# Altium PCB RGV_Control_1V21.PcbDoc (part 5 of 6)
Units mm, origin at the board's own origin, x right, y up, seen from the top; angles counter-clockwise.
Board outline 221.11 x 150.42 mm, 4 copper layers (Top Layer, GND, Power, Bottom Layer), stack 1.56 mm thick; 529 components, 871 nets, 2379 pads, 835 vias.
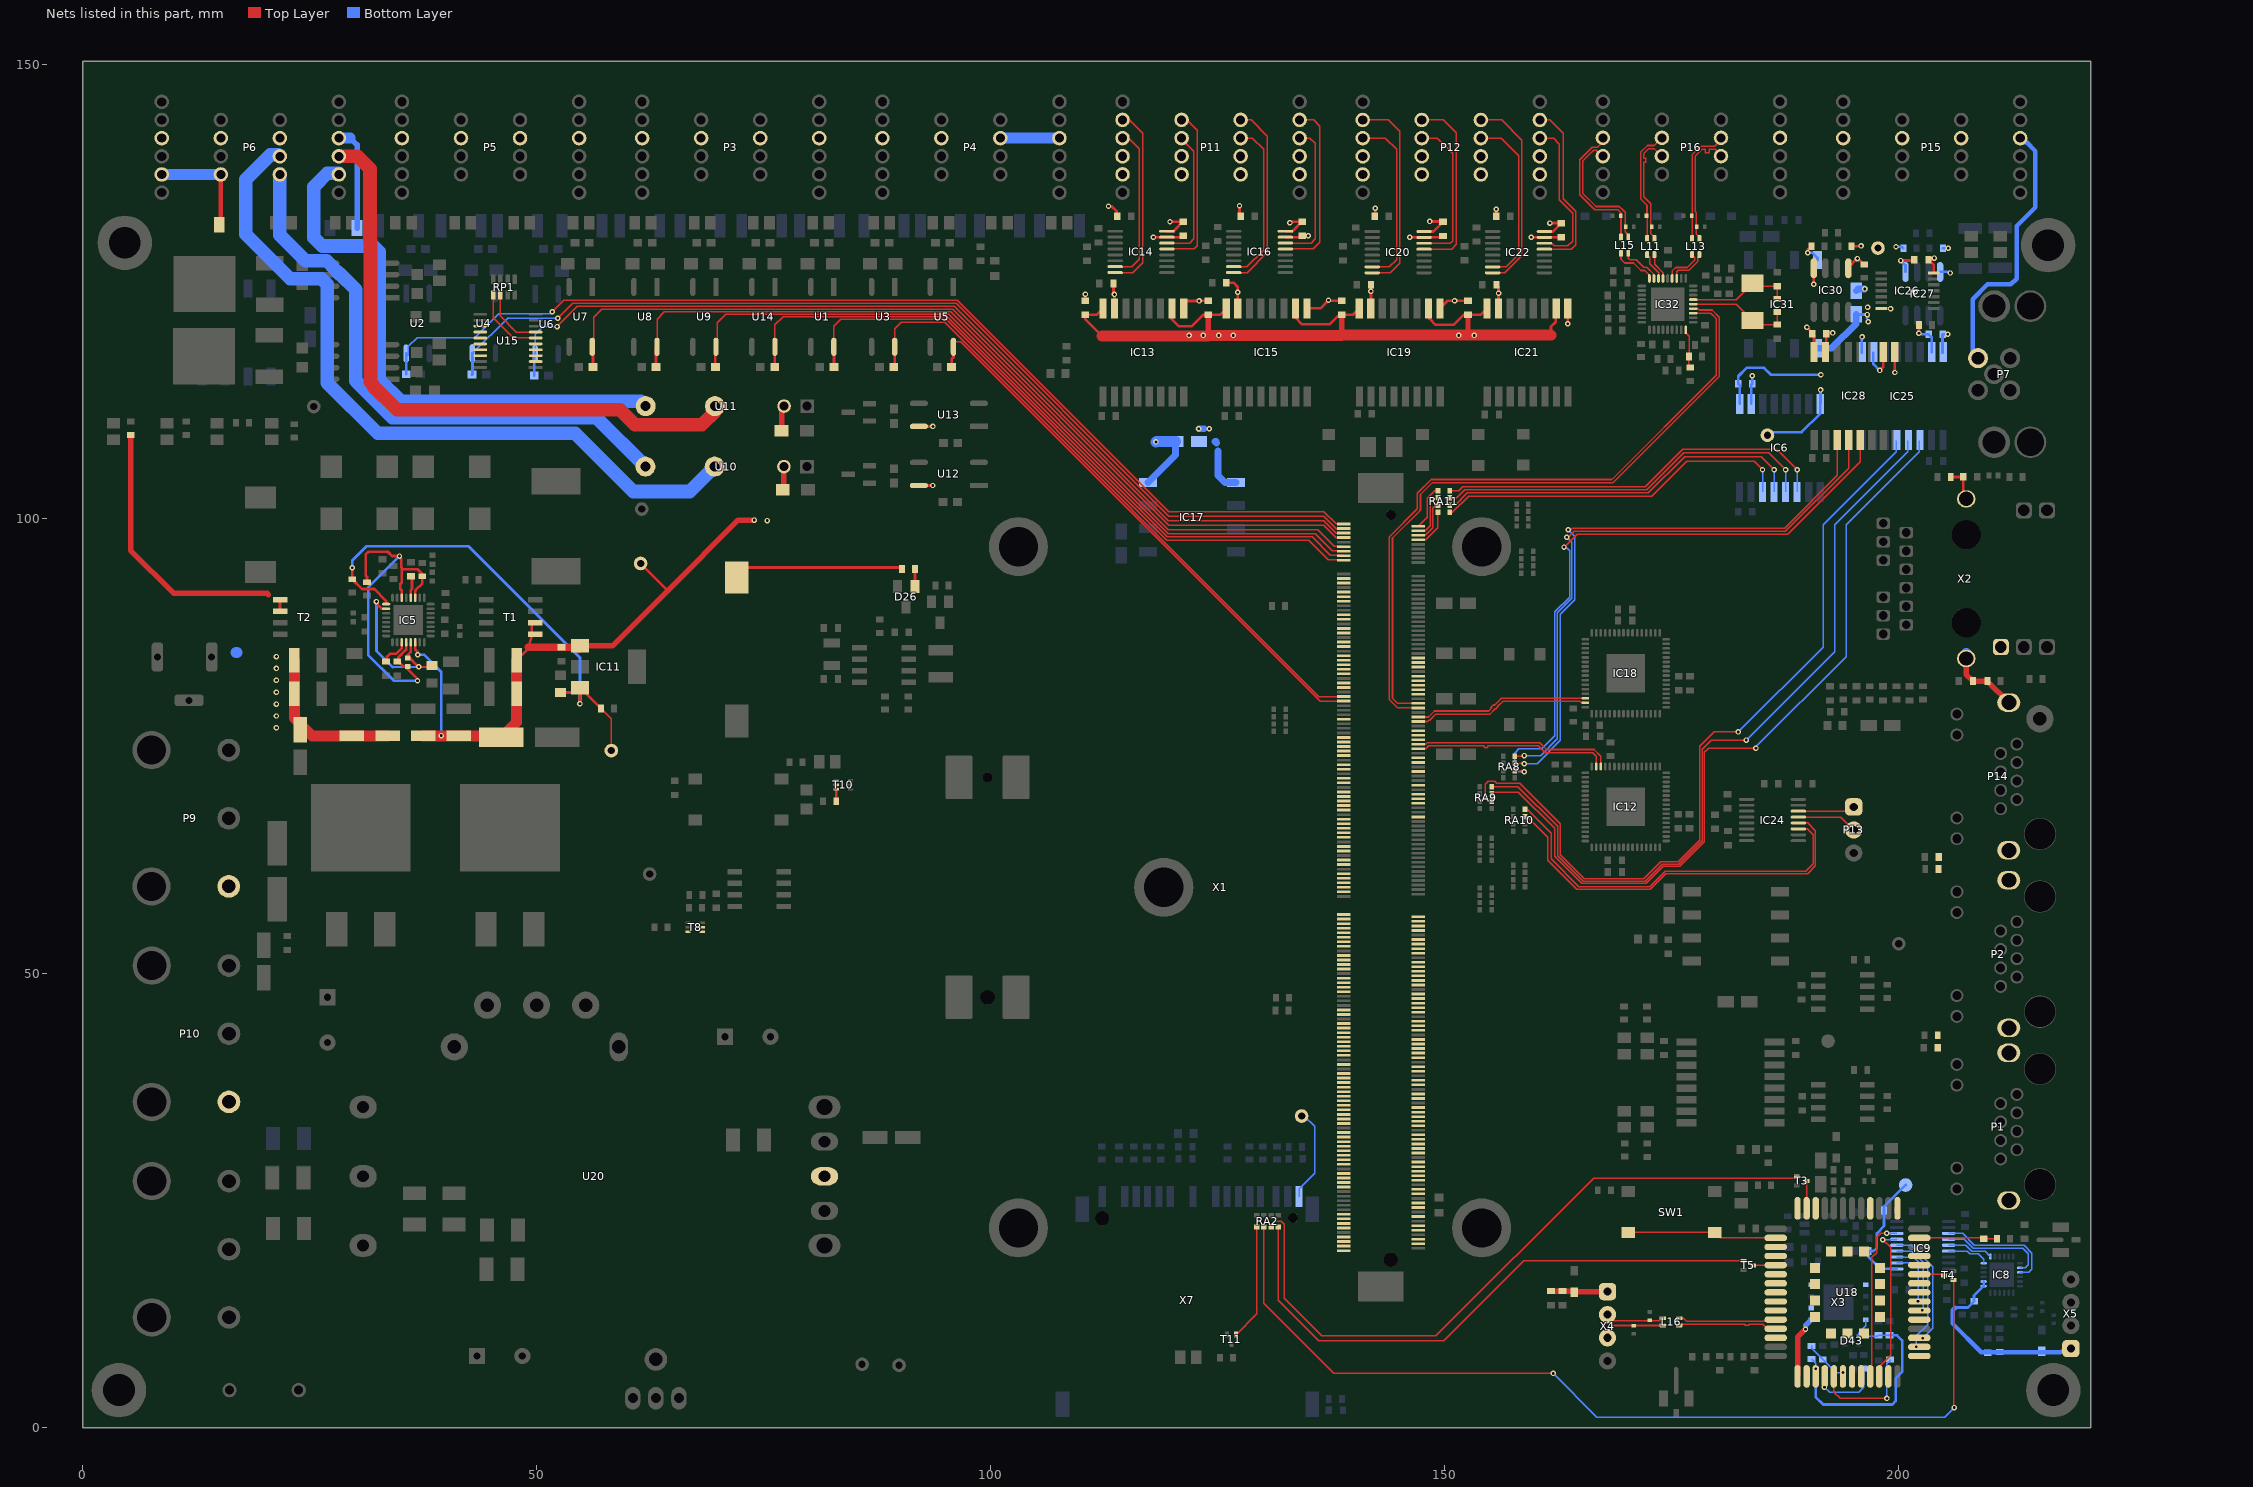
[diagram p7: the nets of this part, all layers, seen from the top]

## Via types
v1: diameter 0.6, hole 0.3, Top Layer to Bottom Layer, 778 vias
v2: diameter 0.5, hole 0.2, Top Layer to Bottom Layer, 32 vias
v3: diameter 0.6, hole 0.3, Top Layer to Bottom Layer, tented bottom, 25 vias

## Nets (pads, with @x,y where several pads share a name; then routed paths per layer and width w, separated by ;. In a path a pad name is that pad's centre, name@x,y a point inside that pad or via, vN(x,y) a via of type N, cw(c..) or ccw(c..) an arc to the next point about the centre after c; other vN are vias at no path point) (continued)
NetRA11_1: RA11.1 X1.2 | length 5
  Top Layer w0.15: X1.2@147.062,99.196 148.05,100.184 148.05,102.265 148.91,103.125 RA11.1@149.252,103.125
NetRA11_2: RA11.2 X1.4 | length 5.2
  Top Layer w0.15: X1.4@147.062,98.696 147.851,98.696 148.4,99.245 148.4,101.84 148.885,102.325 RA11.2@149.252,102.325
NetRA11_3: RA11.3 X1.6 | length 4.8
  Top Layer w0.15: X1.6@147.062,98.196 147.851,98.196 148.675,99.02 148.675,101.177 149.023,101.525 RA11.3@149.252,101.525
NetRA11_4: RA11.4 X1.8 | length 4.2
  Top Layer w0.15: X1.8@147.062,97.696 147.912,97.696 149.25,99.034 RA11.4@149.25,100.45
NetRP1_7: RP1.7 U15.7 | length 6.9
  Top Layer w0.15: RP1.7@46.025,124.658 46.025,122.35 47.802,120.574 U15.7@49.913,120.574
NetRP1_8: RP1.8 U15.6 | length 8.1
  Top Layer w0.15: RP1.8@45.225,124.658 45.225,122.15 47.451,119.924 U15.6@49.913,119.924
NetSW1_1: SW1.1 SW1.2 U18.2 | length 16.5
  Top Layer w0.15: SW1.1@170.205,21.448 SW1.2@179.705,21.448 180.304,20.85 U18.2@186.435,20.85
NetT8_3: T8.3
NetT8_4: T8.4
NetT8_5: T8.5
NetTP2_1: TP2.1 X7.1 | length 10.3
  Bottom Layer w0.15: X7.1@133.957,25.4 133.957,26.287 135.661,27.991 135.661,33.122 134.518,34.265 TP2.1@134.239,34.265
NetU15_2: U15.2
NetU15_3: U15.3
NetU15_4: U15.4
NetU15_5: U15.5
NetU15_13: U15.13
NetU15_14: U15.14
NetU15_15: U15.15
NetU15_16: U15.16
NetU15_17: U15.17
NetU15_18: U15.18
NetU18_3: U18.3
NetU18_4: U18.4
NetU18_6: U18.6
NetU18_7: U18.7
NetU18_8: U18.8
NetU18_9: U18.9
NetU18_10: U18.10
NetU18_13: U18.13
NetU18_17: U18.17
NetU18_22: U18.22
NetU18_23: U18.23
NetU18_26: U18.26
NetU18_28: U18.28
NetU18_32: U18.32
NetU18_35: U18.35
NetU18_36: U18.36
NetU18_38: U18.38
NetU18_39: U18.39
NetU18_43: U18.43
NetU18_46: U18.46
NetU18_52: U18.52
NetU18_54: U18.54
NetU18_55: U18.55
NetU18_56: U18.56
NetU18_57: U18.57
NetU18_58: U18.58
NetU18_59: U18.59
NetU18_60: U18.60
NetU18_61: U18.61
NetU18_62: U18.62
NetU18_63: U18.63
NetU18_64: U18.64
NetU18_65: U18.65
NetU18_66: U18.66
NetU18_67: U18.67
NetU18_68: U18.68
NetU20_6: U20.6
NetX1_25: X1.25
NetX1_27: X1.27
NetX1_31: X1.31
NetX1_33: X1.33
NetX1_35: X1.35
NetX1_41: X1.41
NetX1_43: X1.43
NetX1_47: X1.47
NetX1_49: X1.49
NetX1_53: X1.53
NetX1_55: X1.55
NetX1_59: X1.59
NetX1_60: X1.60
NetX1_61: X1.61
NetX1_62: X1.62
NetX1_63: X1.63
NetX1_64: X1.64
NetX1_65: X1.65
NetX1_67: X1.67
NetX1_68: X1.68
NetX1_70: X1.70
NetX1_71: X1.71
NetX1_72: X1.72
NetX1_73: X1.73
NetX1_74: X1.74
NetX1_76: X1.76
NetX1_87: X1.87
NetX1_92: X1.92
NetX1_94: X1.94
NetX1_95: X1.95
NetX1_96: X1.96
NetX1_97: X1.97
NetX1_99: X1.99
NetX1_101: X1.101
NetX1_103: X1.103
NetX1_104: X1.104
NetX1_106: X1.106
NetX1_107: X1.107
NetX1_109: X1.109
NetX1_110: X1.110
NetX1_113: X1.113
NetX1_115: X1.115
NetX1_116: X1.116
NetX1_119: X1.119
NetX1_120: X1.120
NetX1_121: X1.121
NetX1_122: X1.122
NetX1_123: X1.123
NetX1_124: X1.124
NetX1_125: X1.125
NetX1_127: X1.127
NetX1_130: X1.130
NetX1_131: X1.131
NetX1_133: X1.133
NetX1_135: X1.135
NetX1_137: X1.137
NetX1_139: X1.139
NetX1_143: X1.143
NetX1_145: X1.145
NetX1_149: X1.149
NetX1_151: X1.151
NetX1_155: X1.155
NetX1_157: X1.157
NetX1_159: X1.159
NetX1_161: X1.161
NetX1_163: X1.163
NetX1_173: X1.173
NetX1_174: X1.174
NetX1_175: X1.175
NetX1_176: X1.176
NetX1_177: X1.177
NetX1_178: X1.178
NetX1_179: X1.179
NetX1_180: X1.180
NetX1_181: X1.181
NetX1_183: X1.183
NetX1_184: X1.184
NetX1_185: X1.185
NetX1_186: X1.186
NetX1_187: X1.187
NetX1_188: X1.188
NetX1_190: X1.190
NetX1_191: X1.191
NetX1_193: X1.193
NetX1_194: X1.194
NetX1_195: X1.195
NetX1_196: X1.196
NetX1_197: X1.197
NetX1_198: X1.198
NetX1_200: X1.200
NetX1_201: X1.201
NetX1_202: X1.202
NetX1_203: X1.203
NetX1_204: X1.204
NetX1_205: X1.205
NetX1_207: X1.207
NetX1_208: X1.208
NetX1_210: X1.210
NetX1_212: X1.212
NetX1_214: X1.214
NetX1_215: X1.215
NetX1_216: X1.216
NetX1_217: X1.217
NetX1_220: X1.220
NetX1_221: X1.221
NetX1_222: X1.222
NetX1_223: X1.223
NetX1_224: X1.224
NetX1_225: X1.225
NetX1_227: X1.227
NetX1_228: X1.228
NetX1_229: X1.229
NetX1_230: X1.230
NetX1_231: X1.231
NetX1_232: X1.232
NetX1_233: X1.233
NetX1_234: X1.234
NetX1_235: X1.235
NetX1_236: X1.236
NetX1_239: X1.239
NetX1_240: X1.240
NetX1_242: X1.242
NetX1_243: X1.243
NetX1_245: X1.245
NetX1_246: X1.246
NetX1_247: X1.247
NetX1_248: X1.248
NetX1_249: X1.249
NetX1_251: X1.251
NetX1_252: X1.252
NetX1_253: X1.253
NetX1_254: X1.254
NetX1_255: X1.255
NetX1_257: X1.257
NetX1_258: X1.258
NetX1_259: X1.259
NetX1_260: X1.260
NetX1_261: X1.261
NetX1_262: X1.262
NetX1_263: X1.263
NetX1_264: X1.264
NetX1_265: X1.265
NetX1_266: X1.266
NetX1_269: X1.269
NetX1_270: X1.270
NetX1_271: X1.271
NetX1_272: X1.272
NetX1_273: X1.273
NetX1_274: X1.274
NetX1_275: X1.275
NetX1_276: X1.276
NetX1_277: X1.277
NetX1_278: X1.278
NetX1_279: X1.279
NetX1_281: X1.281
NetX1_282: X1.282
NetX1_283: X1.283
NetX1_284: X1.284
NetX1_286: X1.286
NetX1_287: X1.287
NetX1_288: X1.288
NetX1_289: X1.289
NetX1_290: X1.290
NetX1_291: X1.291
NetX1_293: X1.293
NetX1_294: X1.294
NetX1_296: X1.296
NetX1_300: X1.300
NetX1_302: X1.302
NetX1_305: X1.305
NetX1_306: X1.306
NetX1_307: X1.307
NetX1_309: X1.309
NetX1_310: X1.310
NetX1_311: X1.311
NetX1_312: X1.312
NetX1_315: X1.315
NetX1_316: X1.316
NetX1_317: X1.317
NetX1_318: X1.318
NetX1_319: X1.319
NetX1_321: X1.321
NetX2_15: X2.15
NetX3_2: X3.2
NetX3_4: X3.4
NetX3_5: X3.5
OUT_12V+: C59.2 C60.2 C61.2 C71.2 C72.2 C73.2 C81.2 C82.2 C83.2 D10.2 D11.2 FU1.2 IC5.22 IC11.1 L6.2 P3.3 P3.7 P3.11 P3.15 P4.3 P4.7 P4.11 P4.15 P5.3 P5.7 P5.11 P5.15 P6.3 P6.7 P6.9 P6.11 P6.13 P6.15 P7.2 P9.3 P10.3 P15.3 P15.7 P15.11 P15.15 P16.3 R49.1 R50.1 R81.1 T1.5 T1.6 T2.5 T2.6 TP3.1 U10.2 U11.2 U12.4 U13.4 | length 186.8
  Top Layer w0.3: T2.6@21.775,89.84 T2.5@21.775,91.11 ; IC5.22@36.655,86.425 36.655,85.635 36.926,85.364 v1(36.926,85.065) 37.022,85.065 v1@37.033,85.054 ; C83.2@47.819,84.43 49.019,85.63 49.042,85.7 49.091,85.852 49.095,85.865 49.476,87.053 T1.6@49.476,88.57 ; TP3.1@61.468,95.098 64.338,92.227 64.567,92.227 ; U12.4@92.102,103.683 v1(93.625,103.683) ; U13.4@92.102,110.185 v1(93.65,110.185)
  Top Layer w0.5: R49.1@15.075,132.385 15.25,132.56 P6.9@15.25,137.925
  Top Layer w0.6: R81.1@5.325,109.257 5.325,96.55 10.075,91.8 20.35,91.8 20.5,91.65 ; IC11.1@54.787,86.029 58.368,86.029 64.567,92.227 72.212,99.873 v1(73.965,99.873) ; D11.2@76.987,109.703 76.987,112.141 U11.2@77.267,112.42 ; D10.2@77.114,103.226 77.241,103.353 U10.2@77.241,105.766
  Top Layer w0.8: 49.091,85.852 49.104,85.865 C73.2@52.756,85.865 IC11.1@54.624,85.865
  Top Layer w1.2: C71.2@23.356,84.43 C72.2@23.356,80.747 23.356,78.078 25.312,76.122 C81.2@29.682,76.122 C61.2@33.607,76.122 ; C60.2@37.531,76.122 C59.2@41.456,76.122 45.974,76.122 FU1.2@46.15,75.946 47.819,77.615 C82.2@47.819,80.747 C83.2@47.819,84.43 ; IC11.1@54.624,85.865 IC11.1@54.787,86.029
  Bottom Layer w0.3: v1(36.926,85.065) 37.617,85.065 39.522,83.16 v1(39.522,76.149)
  Bottom Layer w0.5: P7.2@208.702,117.704 208.128,118.278 208.128,124.203 209.75,125.825 212.325,125.825 212.954,126.454 212.954,132.254 215.025,134.325 215.025,140.5 214.05,141.475 213.35,141.475 P15.3@213.35,141.925
  Bottom Layer w0.6: 29.5,141.925 30.25,141.175 R50.1@30.25,132.025
  Bottom Layer w1.2: P6.13@8.75,137.925 12.15,137.925 P6.9@15.25,137.925 ; 16.919,85.293 17.043,85.293 ; P6.3@28.25,141.925 29.5,141.925 ; P5.15@35.188,141.925 P5.15@35.193,141.929 ; P4.7@101.079,141.929 P4.3@107.579,141.929 ; P15.15@193.827,141.948 P15.15@193.85,141.925
  other v1: 21.375,77 21.375,78.308 21.375,79.617 21.375,80.925 21.375,82.233 21.375,83.542 21.375,84.85 75.413,99.822
PMIC_EN: C76.2 IC5.9 IC11.3 R40.1 R84.2 TP1.1 | length 55.5
  Top Layer w0.15: R84.2@57.085,79.144 58.242,77.987 TP1.1@58.242,74.498
  Top Layer w0.3: v1(29.718,94.615) R40.1@29.718,93.359 30.799,92.278 32.156,92.278 33.455,90.979 IC5.9@33.455,90.625 ; C76.2@52.654,80.889 54.248,80.889 IC11.3@54.787,81.429 ; v1(54.787,79.655) IC11.3@54.787,81.429 ; R84.2@57.085,79.144 54.801,81.429 IC11.3@54.787,81.429
  Bottom Layer w0.3: v1(29.718,94.615) 29.718,95.418 31.291,96.991 42.512,96.991 54.787,84.716 v1(54.787,79.655)
PSM_EINT: T4.3 U18.37 | length 2.8
  Top Layer w0.15: U18.37@202.235,16.85 204.841,16.85 T4.3@204.969,16.721
PSM_EINT_2: RA2.7 T4.1 | length 104.1
  Top Layer w0.15: RA2.7@130.075,22.05 130.075,13.65 137.8,5.925 v1(161.95,5.925) ; T4.1@206.019,16.221 206.019,2.231 v1(206.075,2.175)
  Bottom Layer w0.15: v1(161.95,5.925) 166.75,1.125 205.025,1.125 v1(206.075,2.175)
PWRKEY: T5.3 U18.5 | length 2.5
  Top Layer w0.15: T5.3@183.955,17.823 183.982,17.85 U18.5@186.435,17.85
PWRKEY_1: RA2.5 T5.1 | length 64.8
  Top Layer w0.15: RA2.5@131.675,22.05 131.675,13.975 136.125,9.525 149.873,9.525 158.671,18.323 T5.1@182.905,18.323
RDX_AUX: IC9.8 U18.24 | length 18
  Top Layer w0.15: U18.24@196.835,5.6 196.835,6.46 196.992,6.617 196.992,18.692 197.536,19.236 197.536,20.911 197.975,21.35 v1(198.65,21.35)
  Bottom Layer w0.15: v1(198.65,21.35) 198.657,21.343 IC9.8@199.766,21.343
RESET: T3.3 U18.53 | length 3
  Top Layer w0.15: T3.3@189.8,27.125 189.835,27.09 U18.53@189.835,24.1
RESET_MOCI: R87.1 T10.5 T10.6 | length 1.8
  Top Layer w0.3: R87.1@83.004,68.933 T10.6@83.005,70.237 T10.6@83.005,70.237 T10.5@83.005,70.737
RESET_NB_3: RA2.6 T3.1 | length 75.6
  Top Layer w0.15: RA2.6@130.875,22.05 130.875,22.3 131.257,22.682 131.982,22.682 132.319,22.345 132.319,14.181 136.45,10.05 149,10.05 166.382,27.432 188.557,27.432 T3.1@188.75,27.625
RF_ANT: C31.1 R59.1 U18.41 | length 8.6
  Top Layer w0.162: U18.41@202.235,20.85 209.249,20.85 C31.1@209.349,20.75 R59.1@210.775,20.75
RL11: P6.5 U10.4 | length 63.4
  Bottom Layer w1.5: P6.5@21.75,137.925 21.75,131.26 24.587,128.422 26.924,128.422 27.579,127.767 27.579,127.701 28.311,126.969 28.377,126.969 30.124,125.222 30.124,115.201 34.15,111.175 56.592,111.175 U10.4@62.001,105.766
RL12: P6.1 U11.4 | length 61.4
  Bottom Layer w1.5: P6.1@28.25,138.05 26.975,138.05 25.502,136.577 25.502,130.955 26.406,130.05 32.025,130.05 32.675,129.4 32.675,115.325 35.025,112.975 61.472,112.975 U11.4@62.027,112.42
RL21: P6.6 U10.3 | length 81.7
  Bottom Layer w1.5: P6.6@21.679,139.929 21.533,140.075 20.7,140.075 18,137.375 18,131.352 22.902,126.45 26.337,126.45 26.95,125.837 26.95,115 32.525,109.425 54.253,109.425 60.653,103.025 66.881,103.025 U10.3@69.621,105.766
RL22: P6.2 U11.3 | length 68.7
  Top Layer w1.5: P6.2@28.25,139.929 30.296,139.929 31.675,138.55 31.675,130.738 31.725,130.688 31.725,115.072 31.957,114.84 31.957,114.699 34.642,112.014 59.207,112.014 60.851,110.37 68.206,110.37 69.647,111.811 U11.3@69.647,112.42
RS232_5V_ISO: C89.2 C99.2 C102.1 C106.2 C110.1 C112.2 C122.2 C125.1 C129.2 IC13.10 IC13.16 IC14.16 IC15.10 IC15.16 IC16.16 IC17.5 IC19.10 IC19.16 IC20.16 IC21.10 IC21.16 IC22.16 P11.1 P11.5 P11.9 P11.13 P12.1 P12.5 P12.9 P12.13 | length 110.9
  Top Layer w0.3: 112.25,120.15 110.425,121.975 C99.2@110.425,122.475 111.646,122.475 IC13.16@112.36,123.189 ; IC14.16@119.408,131.674 120.149,131.674 C89.2@121.2,132.725 v1(119.75,132.725) ; IC13.10@119.98,123.189 119.98,121.949 120.705,121.224 122.149,121.224 123.375,122.45 123.925,122.45 C106.2@123.95,122.475 125.235,122.475 IC15.16@125.949,123.189 ; IC16.16@132.455,131.673 133.248,131.673 C102.1@134.3,132.725 133.025,132.725 132.9,132.6 v1(132.95,132.6) ; IC15.10@133.569,123.189 133.569,122.156 134.3,121.425 137.325,121.425 138.375,122.475 C122.2@138.65,122.475 139.865,122.475 IC19.16@140.579,123.189 ; IC20.16@147.715,131.648 148.755,131.648 C112.2@149.809,132.703 149.762,132.75 v1(148.35,132.75) ; IC19.10@148.3,122.5 148.3,122.065 148.99,121.375 150.975,121.375 152.075,122.475 C129.2@152.546,122.475 153.937,122.475 IC21.16@154.651,123.189 ; IC22.16@160.965,131.648 161.912,131.648 C125.1@162.814,132.55 162.789,132.575 v1(161.571,132.575) ; 161.7,120.225 161.7,121.188 162.217,121.705 IC21.10@162.217,123.242
  Top Layer w0.6: 123.9,120.15 123.95,120.2 C106.2@123.95,122.475 ; 138.6,120.2 138.65,120.25 C122.2@138.65,122.475 ; C129.2@152.546,122.475 152.557,122.464 152.557,120.257 ; IC21.16@154.651,123.189 IC21.16@154.725,123.114
  Top Layer w1.2: 112.25,120.15 123.9,120.15 ; 123.95,120.2 138.6,120.2 ; 138.65,120.25 148.293,120.25 148.3,120.257 152.557,120.257 161.668,120.257 161.7,120.225
  Bottom Layer w0.75: v1(122.925,109.925) 123.48,109.925 ; 124.698,108.527 124.875,108.35 ; 124.823,108.527 124.85,108.555 ; 125.025,107.475 125.025,104.8 125.815,104.01 IC17.5@127.025,104.01
  other v1: 124.075,109.925 121.85,120.2 123.4,120.2 125.125,120.2 126.7,120.2 151.55,120.2 153.25,120.2
RS232_GND_ISO: C89.1 C99.1 C100.1 C101.1 C102.2 C106.1 C107.1 C108.1 C110.2 C112.1 C122.1 C123.1 C124.1 C125.2 C129.1 C130.1 C131.1 IC13.9 IC13.15 IC14.15 IC15.9 IC15.15 IC16.15 IC17.4 IC19.9 IC19.15 IC20.15 IC21.9 IC21.15 IC22.15 P11.2 P11.6 P11.10 P11.14 P12.2 P12.6 P12.10 P12.14 | length 51.6
  Top Layer w0.3: C99.1@110.425,124.025 110.425,124.725 v1(110.439,124.739) ; v1(112.975,134.425) 113.325,134.425 113.9,133.85 C100.1@113.9,133.2 ; C101.1@113.525,125.925 113.525,124.825 v1(113.63,124.72) IC13.15@113.63,123.189 ; v1(117.925,131.025) 119.406,131.025 IC14.15@119.408,131.024 121.049,131.024 C89.1@121.2,131.175 ; IC13.9@121.25,123.189 121.25,124.025 121.275,124 v1(122.95,124) 122.975,124.025 C106.1@123.95,124.025 ; C108.1@125.943,126.009 126.716,126.009 127.219,125.506 v1(127.219,124.969) IC15.15@127.219,123.189 ; C107.1@127.4,133.425 v1(127.4,134.475) ; IC16.15@132.455,131.023 134.148,131.023 C102.2@134.3,131.175 v1(134.98,131.175) ; IC15.9@134.839,123.189 136.314,123.189 v1(137.2,124.075) 137.25,124.025 C122.1@138.65,124.025 ; IC19.15@141.849,123.189 141.872,123.212 v1(141.872,125.053) C124.1@141.872,125.781 ; C123.1@142.075,133.225 142.35,133.5 v1(142.35,134.2) ; v1(146.15,130.998) IC20.15@147.715,130.998 149.655,130.998 C112.1@149.809,131.153 ; IC19.9@149.469,123.189 150.305,124.025 v1(151.075,124.025) C129.1@152.546,124.025 ; C130.1@155.675,133.125 C130.1@155.675,133.325 v1(155.675,134.1) ; C131.1@155.69,125.781 155.921,125.55 v1(155.921,124.85) IC21.15@155.921,123.189 ; v1(159.525,131) 160.963,131 IC22.15@160.965,130.998 162.812,130.998 C125.2@162.814,131 ; v1(163.541,121.504) IC21.9@163.541,123.189 IC21.9@163.767,123.415
  Bottom Layer w0.75: IC17.4@117.325,104.01 120.347,107.032 C110.2@120.347,108.527
  Bottom Layer w1.2: v1(118.2,108.475) 118.252,108.527 C110.2@120.347,108.527
RS232_Rx_1: IC14.13 P11.12 | length 18.5
  Top Layer w0.15: IC14.13@119.408,129.724 122.399,129.724 122.725,130.05 122.725,142.781 121.577,143.929 P11.12@121.021,143.929 P11.12@120.914,143.929
RS232_Rx_2: IC14.8 P11.16 | length 20.7
  Top Layer w0.15: IC14.8@113.708,127.124 115.649,127.124 116.725,128.2 116.725,142.477 115.273,143.929 P11.16@114.521,143.929 P11.16@114.414,143.929
RS232_Rx_3: IC16.13 P11.4 | length 19.5
  Top Layer w0.15: IC16.13@132.455,129.723 135.498,129.723 136.225,130.45 136.225,143.251 135.547,143.929 P11.4@134.021,143.929 P11.4@133.914,143.929
RS232_Rx_4: IC16.8 P11.8 | length 21.2
  Top Layer w0.15: IC16.8@126.755,127.123 128.248,127.123 130.475,129.35 130.475,142.159 128.704,143.929 P11.8@127.414,143.929
RS232_Rx_5: IC20.13 P12.12 | length 20.7
  Top Layer w0.15: P12.12@147.249,143.929 149.846,143.929 151.275,142.5 151.275,130.225 150.748,129.698 IC20.13@147.715,129.698
RS232_Rx_6: IC20.8 P12.16 | length 22.8
  Top Layer w0.15: P12.16@140.749,143.929 143.751,143.929 145.025,142.655 145.025,128.125 143.998,127.098 IC20.8@142.015,127.098
RS232_Rx_7: IC22.13 P12.4 | length 19.9
  Top Layer w0.15: P12.4@160.249,143.929 161.571,143.929 163.05,142.45 163.05,135.25 164.425,133.875 164.425,130.2 163.923,129.698 IC22.13@160.965,129.698
RS232_Rx_8: IC22.8 P12.8 | length 22.4
  Top Layer w0.15: P12.8@153.749,143.929 156.271,143.929 158.5,141.7 158.5,128.975 156.623,127.098 IC22.8@155.265,127.098
RS232_Rx_DEBUG: IC24.13 P13.2 | length 6.7
  Top Layer w0.15: IC24.13@188.93,67.178 193.604,67.178 P13.2@195.021,65.761
RS232_Tx_1: IC14.14 P11.11 | length 14.9
  Top Layer w0.15: IC14.14@119.408,130.374 121.924,130.374 122.375,130.825 122.375,140.468 P11.11@120.914,141.929
RS232_Tx_2: IC14.7 P11.15 | length 17.6
  Top Layer w0.15: IC14.7@113.708,127.774 115.549,127.774 116.375,128.6 116.375,140.749 115.195,141.929 P11.15@114.521,141.929 P11.15@114.414,141.929
RS232_Tx_3: IC16.14 P11.3 | length 16
  Top Layer w0.15: IC16.14@132.455,130.373 135.273,130.373 135.725,130.825 135.725,141.364 135.159,141.929 P11.3@134.021,141.929 P11.3@133.914,141.929
RS232_Tx_4: IC16.7 P11.7 | length 18.3
  Top Layer w0.15: IC16.7@126.755,127.773 128.223,127.773 130.05,129.6 130.05,140.675 128.796,141.929 P11.7@127.414,141.929
RS232_Tx_5: IC20.14 P12.11 | length 17.2
  Top Layer w0.15: P12.11@147.249,141.929 149.196,141.929 150.85,140.275 150.85,130.578 150.62,130.348 IC20.14@147.715,130.348
RS232_Tx_6: IC20.7 P12.15 | length 19.6
  Top Layer w0.15: P12.15@140.749,141.929 143.465,141.929 144.7,140.694 144.7,128.55 143.898,127.748 IC20.7@142.015,127.748
RS232_Tx_7: IC22.14 P12.3 | length 17.4
  Top Layer w0.15: P12.3@160.249,141.929 161.971,141.929 162.625,141.275 162.625,135.125 164.1,133.65 164.1,130.6 163.55,130.05 162.073,130.05 161.775,130.348 IC22.14@160.965,130.348
RS232_Tx_8: IC22.7 P12.7 | length 19.5
  Top Layer w0.15: P12.7@153.749,141.929 156.196,141.929 158.125,140 158.125,129.125 156.748,127.748 IC22.7@155.265,127.748
RS232_Tx_DEBUG: IC24.14 P13.1 | length 6.3
  Top Layer w0.15: IC24.14@188.93,67.828 P13.1@194.548,67.828
  Top Layer w0.3: P13.1@194.548,67.828 P13.1@195.021,68.301
RS485_3.3V_ISO: C23.2 C143.2 C145.1 C147.2 C168.2 IC6.1 IC25.10 IC25.16 IC26.14 IC27.8 IC28.10 IC28.16 IC30.8 IC31.5 R116.1 R120.1 TP701.1 | length 38.2
  Top Layer w0.3: v1(189.865,121.107) 190.436,120.536 C147.2@190.436,120.396 190.642,120.19 IC28.16@190.642,118.388 ; v1(190.625,125.825) 190.627,125.827 IC30.8@190.627,127.597 ; R120.1@194.781,130.023 195.79,130.023 v1(195.825,130.057) ; v1(197.875,116.35) 198.262,116.737 IC28.10@198.262,118.388 ; IC26.14@203.839,127.07 203.839,127.936 C168.2@203.25,128.525 203.7,128.525 v1(203.9,128.725) ; v1@205.645,127.07 v1(205.65,127.075)
  Bottom Layer w0.3: IC6.1@182.458,112.673 182.458,114.734 C23.2@182.308,114.884 182.308,115.709 183.236,116.637 185.141,116.637 185.903,115.875 v1(191.414,115.875) ; C145.1@195.301,122.525 195.326,122.5 195.33,122.504 v1(196.52,122.504) 196.52,122.38 v1@196.625,122.275 ; 196.45,122.1 196.463,122.088 ; IC25.10@197.18,118.288 197.18,117.045 v1(197.875,116.35) ; v1(199.675,129.975) 200.299,129.975 R116.1@200.48,129.794 ; IC27.8@204.535,127.2 205.525,127.2 v1(205.65,127.075) ; IC25.16@204.8,118.288 204.8,120.307 C143.2@204.813,120.32 205.37,120.32 v1(205.375,120.325)